# Allegro board T736_DEMO_CORE_AXP8191_LP4_4X_32X1_V0_5-draft.brd (continued)
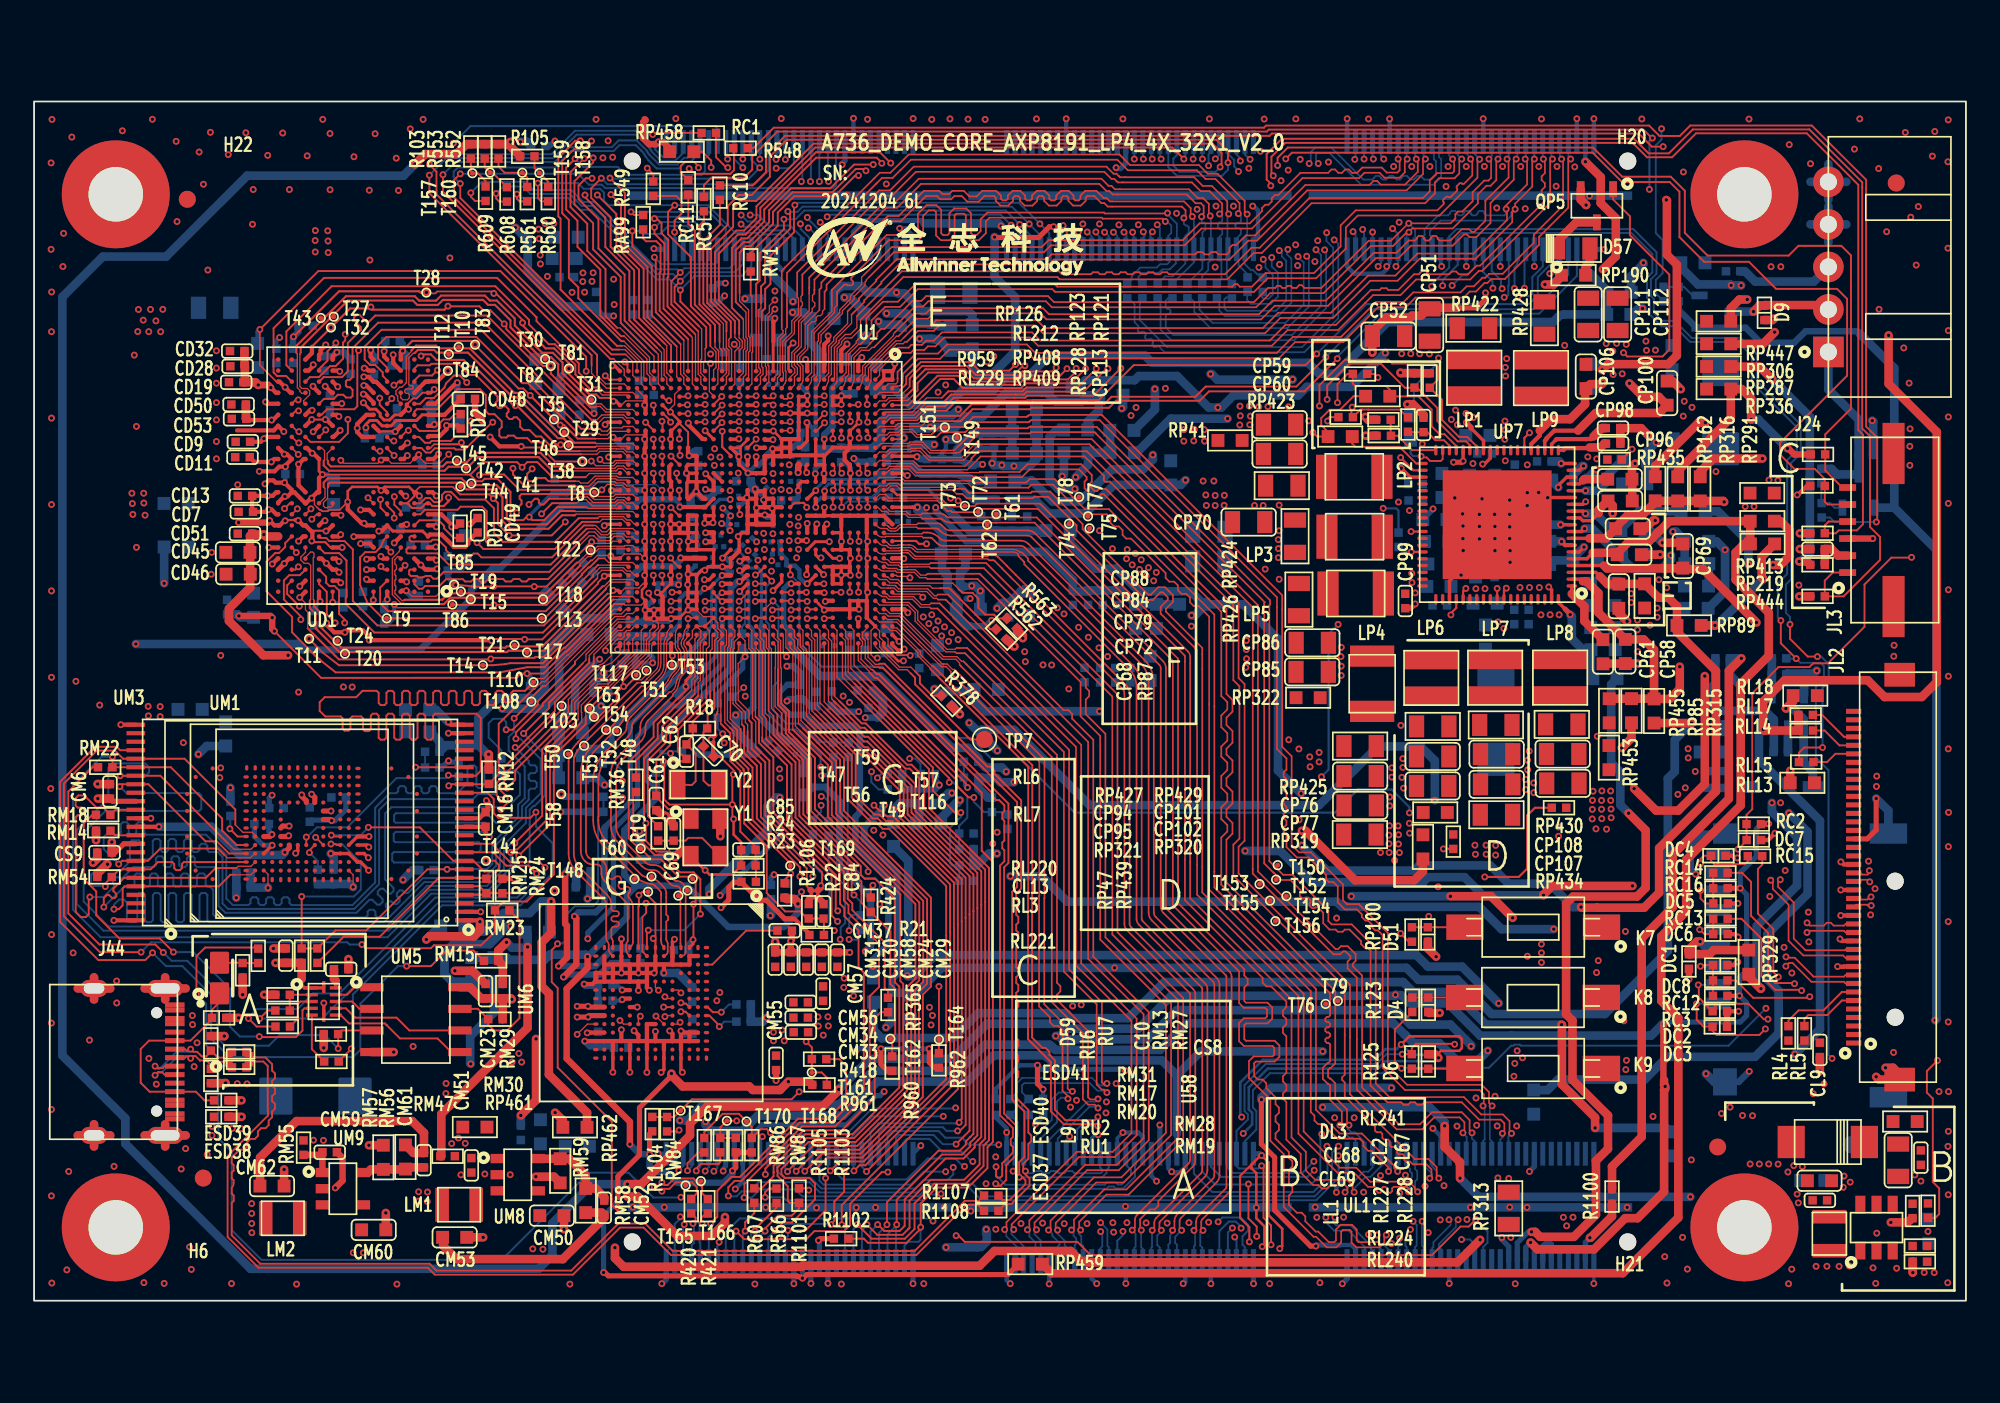
[diagram p0: board, top side]
## Footprints (pads in the part's own frame, mm; a bottom-side part is the same pattern mirrored in y, then rotated) (continued)
BGA667P50B1700_1700H112
  round 0.27 smd: A1(-8,8) A2(-7.5,8) A3(-7,8) A5(-6,8) A7(-5,8) A9(-4,8) A11(-3,8) A13(-2,8) A15(-1,8) A17(0,8) A19(1,8) A21(2,8) A23(3,8) A25(4,8) A27(5,8) A29(6,8) A31(7,8) A32(7.5,8) A33(8,8) AA1(-8,-2) AA2(-7.5,-2) AA3(-7,-2) AA12(-2.5,-2) AA13(-2,-2) AA14(-1.5,-2) AA15(-1,-2) AA18(0.5,-2) AA20(1.5,-2) AA31(7,-2) AA32(7.5,-2) AA33(8,-2) AB2(-7.5,-2.5) AB3(-7,-2.5) AB4(-6.5,-2.5) AB5(-6,-2.5) AB6(-5.5,-2.5) AB7(-5,-2.5) AB8(-4.5,-2.5) AB9(-4,-2.5) AB13(-2,-2.5) AB14(-1.5,-2.5) AB15(-1,-2.5) AB16(-0.5,-2.5) AB17(0,-2.5) AB18(0.5,-2.5) AB20(1.5,-2.5) AB21(2,-2.5) AB22(2.5,-2.5) AB25(4,-2.5) AB26(4.5,-2.5) AB27(5,-2.5) AB28(5.5,-2.5) AB29(6,-2.5) AB30(6.5,-2.5) AB31(7,-2.5) AB32(7.5,-2.5) AC1(-8,-3) AC2(-7.5,-3) AC3(-7,-3) AC9(-4,-3) AC12(-2.5,-3) AC14(-1.5,-3) AC16(-0.5,-3) AC18(0.5,-3) AC23(3,-3) AC31(7,-3) AC32(7.5,-3) AC33(8,-3) AD2(-7.5,-3.5) AD3(-7,-3.5) AD4(-6.5,-3.5) AD5(-6,-3.5) AD6(-5.5,-3.5) AD7(-5,-3.5) AD11(-3,-3.5) AD12(-2.5,-3.5) AD13(-2,-3.5) AD14(-1.5,-3.5) AD18(0.5,-3.5) AD19(1,-3.5) AD20(1.5,-3.5) AD21(2,-3.5) AD22(2.5,-3.5) AD25(4,-3.5) AD26(4.5,-3.5) AD27(5,-3.5) AD28(5.5,-3.5) AD29(6,-3.5) AD30(6.5,-3.5) AD31(7,-3.5) AD32(7.5,-3.5) AE1(-8,-4) AE2(-7.5,-4) AE3(-7,-4) AE10(-3.5,-4) AE12(-2.5,-4) AE14(-1.5,-4) AE16(-0.5,-4) AE18(0.5,-4) AE20(1.5,-4) AE22(2.5,-4) AE24(3.5,-4) AE31(7,-4) AE32(7.5,-4) AE33(8,-4) AF2(-7.5,-4.5) AF3(-7,-4.5) AF4(-6.5,-4.5) AF5(-6,-4.5) AF6(-5.5,-4.5) AF7(-5,-4.5) AF8(-4.5,-4.5) AF10(-3.5,-4.5) AF12(-2.5,-4.5) AF14(-1.5,-4.5) AF16(-0.5,-4.5) AF18(0.5,-4.5) AF20(1.5,-4.5) AF22(2.5,-4.5) AF24(3.5,-4.5) AF27(5,-4.5) AF28(5.5,-4.5) AF29(6,-4.5) AF30(6.5,-4.5) AF31(7,-4.5) AF32(7.5,-4.5) AG1(-8,-5) AG2(-7.5,-5) AG3(-7,-5) AG8(-4.5,-5) AG10(-3.5,-5) AG12(-2.5,-5) AG14(-1.5,-5) AG16(-0.5,-5) AG18(0.5,-5) AG20(1.5,-5) AG22(2.5,-5) AG24(3.5,-5) AG26(4.5,-5) AG31(7,-5) AG32(7.5,-5) AG33(8,-5) AH2(-7.5,-5.5) AH3(-7,-5.5) AH4(-6.5,-5.5) AH5(-6,-5.5) AH6(-5.5,-5.5) AH8(-4.5,-5.5) AH10(-3.5,-5.5) AH12(-2.5,-5.5) AH14(-1.5,-5.5) AH16(-0.5,-5.5) AH18(0.5,-5.5) AH20(1.5,-5.5) AH22(2.5,-5.5) AH24(3.5,-5.5) AH26(4.5,-5.5) AH28(5.5,-5.5) AH29(6,-5.5) AH30(6.5,-5.5) AH31(7,-5.5) AH32(7.5,-5.5) AJ1(-8,-6) AJ2(-7.5,-6) AJ3(-7,-6) AJ6(-5.5,-6) AJ8(-4.5,-6) AJ10(-3.5,-6) AJ12(-2.5,-6) AJ14(-1.5,-6) AJ16(-0.5,-6) AJ18(0.5,-6) AJ20(1.5,-6) AJ22(2.5,-6) AJ24(3.5,-6) AJ26(4.5,-6) AJ28(5.5,-6) AJ31(7,-6) AJ32(7.5,-6) AJ33(8,-6) AK2(-7.5,-6.5) AK3(-7,-6.5) AK4(-6.5,-6.5) AK6(-5.5,-6.5) AK8(-4.5,-6.5) AK10(-3.5,-6.5) AK12(-2.5,-6.5) AK14(-1.5,-6.5) AK16(-0.5,-6.5) AK18(0.5,-6.5) AK20(1.5,-6.5) AK22(2.5,-6.5) AK24(3.5,-6.5) AK26(4.5,-6.5) AK28(5.5,-6.5) AK30(6.5,-6.5) AK31(7,-6.5) AK32(7.5,-6.5) AL1(-8,-7) AL2(-7.5,-7) AL3(-7,-7) AL4(-6.5,-7) AL5(-6,-7) AL6(-5.5,-7) AL7(-5,-7) AL8(-4.5,-7) AL9(-4,-7) AL10(-3.5,-7) AL11(-3,-7) AL12(-2.5,-7) AL13(-2,-7) AL14(-1.5,-7) AL15(-1,-7) AL16(-0.5,-7) AL17(0,-7) AL18(0.5,-7) AL19(1,-7) AL20(1.5,-7) AL21(2,-7) AL22(2.5,-7) AL23(3,-7) AL24(3.5,-7) AL25(4,-7) AL26(4.5,-7) AL27(5,-7) AL28(5.5,-7) AL29(6,-7) AL30(6.5,-7) AL31(7,-7) AL32(7.5,-7) AL33(8,-7) AM1(-8,-7.5) AM2(-7.5,-7.5) AM3(-7,-7.5) AM4(-6.5,-7.5) AM5(-6,-7.5) AM6(-5.5,-7.5) AM7(-5,-7.5) AM8(-4.5,-7.5) AM9(-4,-7.5) AM10(-3.5,-7.5) AM11(-3,-7.5) AM12(-2.5,-7.5) AM13(-2,-7.5) AM14(-1.5,-7.5) AM15(-1,-7.5) AM16(-0.5,-7.5) AM17(0,-7.5) AM18(0.5,-7.5) AM19(1,-7.5) AM20(1.5,-7.5) AM21(2,-7.5) AM22(2.5,-7.5) AM23(3,-7.5) AM24(3.5,-7.5) AM25(4,-7.5) AM26(4.5,-7.5) AM27(5,-7.5) AM28(5.5,-7.5) AM29(6,-7.5) AM30(6.5,-7.5) AM31(7,-7.5) AM32(7.5,-7.5) AM33(8,-7.5) AN1(-8,-8) AN2(-7.5,-8) AN3(-7,-8) AN5(-6,-8) AN7(-5,-8) AN9(-4,-8) AN11(-3,-8) AN13(-2,-8) AN15(-1,-8) AN17(0,-8) AN19(1,-8) AN21(2,-8) AN23(3,-8) AN25(4,-8) AN27(5,-8) AN29(6,-8) AN31(7,-8) AN32(7.5,-8) AN33(8,-8) B1(-8,7.5) B2(-7.5,7.5) B3(-7,7.5) B4(-6.5,7.5) B5(-6,7.5) B6(-5.5,7.5) B7(-5,7.5) B8(-4.5,7.5) B9(-4,7.5) B10(-3.5,7.5) B11(-3,7.5) B12(-2.5,7.5) B13(-2,7.5) B14(-1.5,7.5) B15(-1,7.5) B16(-0.5,7.5) B17(0,7.5) B18(0.5,7.5) B19(1,7.5) B20(1.5,7.5) B21(2,7.5) B22(2.5,7.5) B23(3,7.5) B24(3.5,7.5) B25(4,7.5) B26(4.5,7.5) B27(5,7.5) B28(5.5,7.5) B29(6,7.5) B30(6.5,7.5) B31(7,7.5) B32(7.5,7.5) B33(8,7.5) C1(-8,7) C2(-7.5,7) C3(-7,7) C4(-6.5,7) C5(-6,7) C6(-5.5,7) C7(-5,7) C8(-4.5,7) C9(-4,7) C10(-3.5,7) C11(-3,7) C12(-2.5,7) C13(-2,7) C14(-1.5,7) C15(-1,7) C16(-0.5,7) C17(0,7) C18(0.5,7) C19(1,7) C20(1.5,7) C21(2,7) C22(2.5,7) C23(3,7) C24(3.5,7) C25(4,7) C26(4.5,7) C27(5,7) C28(5.5,7) C29(6,7) C30(6.5,7) C31(7,7) C32(7.5,7) C33(8,7) D2(-7.5,6.5) D3(-7,6.5) D4(-6.5,6.5) D6(-5.5,6.5) D8(-4.5,6.5) D10(-3.5,6.5) D12(-2.5,6.5) D14(-1.5,6.5) D16(-0.5,6.5) D18(0.5,6.5) D20(1.5,6.5) D22(2.5,6.5) D24(3.5,6.5) D26(4.5,6.5) D28(5.5,6.5) D30(6.5,6.5) D31(7,6.5) D32(7.5,6.5) E1(-8,6) E2(-7.5,6) E3(-7,6) E6(-5.5,6) E8(-4.5,6) E10(-3.5,6) E12(-2.5,6) E14(-1.5,6) E16(-0.5,6) E18(0.5,6) E20(1.5,6) E22(2.5,6) E24(3.5,6) E26(4.5,6) E28(5.5,6) E31(7,6) E32(7.5,6) E33(8,6) F2(-7.5,5.5) F3(-7,5.5) F4(-6.5,5.5) F5(-6,5.5) F6(-5.5,5.5) F8(-4.5,5.5) F10(-3.5,5.5) F12(-2.5,5.5) F14(-1.5,5.5) F16(-0.5,5.5) F18(0.5,5.5) F20(1.5,5.5) F22(2.5,5.5) F24(3.5,5.5) F26(4.5,5.5) F28(5.5,5.5) F29(6,5.5) F30(6.5,5.5) F31(7,5.5) F32(7.5,5.5) G1(-8,5) G2(-7.5,5) G3(-7,5) G8(-4.5,5) G10(-3.5,5) G12(-2.5,5) G14(-1.5,5) G16(-0.5,5) G18(0.5,5) G20(1.5,5) G22(2.5,5) G24(3.5,5) G26(4.5,5) G31(7,5) G32(7.5,5) G33(8,5) H2(-7.5,4.5) H3(-7,4.5) H4(-6.5,4.5) H5(-6,4.5) H6(-5.5,4.5) H7(-5,4.5) H8(-4.5,4.5) H10(-3.5,4.5) H12(-2.5,4.5) H14(-1.5,4.5) H16(-0.5,4.5) H18(0.5,4.5) H20(1.5,4.5) H22(2.5,4.5) H24(3.5,4.5) H26(4.5,4.5) H27(5,4.5) H28(5.5,4.5) H29(6,4.5) H30(6.5,4.5) H31(7,4.5) H32(7.5,4.5) J1(-8,4) J2(-7.5,4) J3(-7,4) J10(-3.5,4) J12(-2.5,4) J14(-1.5,4) J16(-0.5,4) J18(0.5,4) J20(1.5,4) J22(2.5,4) J24(3.5,4) J31(7,4) J32(7.5,4) J33(8,4) K2(-7.5,3.5) K3(-7,3.5) K4(-6.5,3.5) K5(-6,3.5) K6(-5.5,3.5) K7(-5,3.5) K8(-4.5,3.5) K9(-4,3.5) K12(-2.5,3.5) K14(-1.5,3.5) K16(-0.5,3.5) K18(0.5,3.5) K20(1.5,3.5) K22(2.5,3.5) K24(3.5,3.5) K25(4,3.5) K26(4.5,3.5) K27(5,3.5) K28(5.5,3.5) K29(6,3.5) K30(6.5,3.5) K31(7,3.5) K32(7.5,3.5) L1(-8,3) L2(-7.5,3) L3(-7,3) L12(-2.5,3) L14(-1.5,3) L16(-0.5,3) L18(0.5,3) L20(1.5,3) L22(2.5,3) L24(3.5,3) L31(7,3) L32(7.5,3) L33(8,3) M2(-7.5,2.5) M3(-7,2.5) M4(-6.5,2.5) M5(-6,2.5) M6(-5.5,2.5) M7(-5,2.5) M8(-4.5,2.5) M9(-4,2.5) M10(-3.5,2.5) M12(-2.5,2.5) M20(1.5,2.5) M26(4.5,2.5) M27(5,2.5) M28(5.5,2.5) M29(6,2.5) M30(6.5,2.5) M31(7,2.5) M32(7.5,2.5) N1(-8,2) N2(-7.5,2) N3(-7,2) N11(-3,2) N13(-2,2) N16(-0.5,2) N17(0,2) N18(0.5,2) N20(1.5,2) N22(2.5,2) N24(3.5,2) N31(7,2) N32(7.5,2) N33(8,2) P2(-7.5,1.5) P3(-7,1.5) P4(-6.5,1.5) P5(-6,1.5) P6(-5.5,1.5) P7(-5,1.5) P8(-4.5,1.5) P9(-4,1.5) P10(-3.5,1.5) P11(-3,1.5) P12(-2.5,1.5) P13(-2,1.5) P14(-1.5,1.5) P16(-0.5,1.5) P17(0,1.5) P18(0.5,1.5) P20(1.5,1.5) P21(2,1.5) P22(2.5,1.5) P23(3,1.5) P25(4,1.5) P27(5,1.5) P28(5.5,1.5) P29(6,1.5) P30(6.5,1.5) P31(7,1.5) P32(7.5,1.5) R1(-8,1) R2(-7.5,1) R3(-7,1) R12(-2.5,1) R14(-1.5,1) R16(-0.5,1) R18(0.5,1) R19(1,1) R21(2,1) R22(2.5,1) R31(7,1) R32(7.5,1) R33(8,1) T2(-7.5,0.5) T3(-7,0.5) T4(-6.5,0.5) T5(-6,0.5) T6(-5.5,0.5) T7(-5,0.5) T8(-4.5,0.5) T9(-4,0.5) T10(-3.5,0.5) T11(-3,0.5) T13(-2,0.5) T15(-1,0.5) T17(0,0.5) T21(2,0.5) T23(3,0.5) T24(3.5,0.5) T25(4,0.5) T26(4.5,0.5) T27(5,0.5) T28(5.5,0.5) T29(6,0.5) T30(6.5,0.5) T31(7,0.5) T32(7.5,0.5) U1(-8,0) U2(-7.5,0) U3(-7,0) U12(-2.5,0) U13(-2,0) U16(-0.5,0) U18(0.5,0) U19(1,0) U20(1.5,0) U22(2.5,0) U24(3.5,0) U31(7,0) U32(7.5,0) U33(8,0) V2(-7.5,-0.5) V3(-7,-0.5) V4(-6.5,-0.5) V5(-6,-0.5) V6(-5.5,-0.5) V7(-5,-0.5) V8(-4.5,-0.5) V9(-4,-0.5) V10(-3.5,-0.5) V12(-2.5,-0.5) V15(-1,-0.5) V17(0,-0.5) V18(0.5,-0.5) V19(1,-0.5) V20(1.5,-0.5) V21(2,-0.5) V23(3,-0.5) V24(3.5,-0.5) V25(4,-0.5) V26(4.5,-0.5) V27(5,-0.5) V28(5.5,-0.5) V29(6,-0.5) V30(6.5,-0.5) V31(7,-0.5) V32(7.5,-0.5) W1(-8,-1) W2(-7.5,-1) W3(-7,-1) W12(-2.5,-1) W14(-1.5,-1) W16(-0.5,-1) W17(0,-1) W22(2.5,-1) W31(7,-1) W32(7.5,-1) W33(8,-1) Y2(-7.5,-1.5) Y3(-7,-1.5) Y4(-6.5,-1.5) Y5(-6,-1.5) Y6(-5.5,-1.5) Y7(-5,-1.5) Y8(-4.5,-1.5) Y9(-4,-1.5) Y10(-3.5,-1.5) Y11(-3,-1.5) Y12(-2.5,-1.5) Y13(-2,-1.5) Y14(-1.5,-1.5) Y17(0,-1.5) Y19(1,-1.5) Y21(2,-1.5) Y22(2.5,-1.5) Y23(3,-1.5) Y24(3.5,-1.5) Y25(4,-1.5) Y26(4.5,-1.5) Y27(5,-1.5) Y28(5.5,-1.5) Y29(6,-1.5) Y30(6.5,-1.5) Y31(7,-1.5) Y32(7.5,-1.5)
C0201
  rect 0.3x0.3 smd: 1(-0.25,0) 2(0.25,0)
C0402
  rect 0.5x0.5 smd: 1(-0.425,0) 2(0.425,0)
C0603
  rect 0.76x0.76 smd: 1(-0.71,0) 2(0.71,0)
C0805
  rect 0.9x1.3 smd: 1(-0.95,0) 2(0.95,0)
ESD0402
  rect 0.5x0.5 smd: 1(-0.425,0) 2(0.425,0)
FPC8P100B515_1090H340_B
  rect 0.4x1 smd: 1(-2.5,2.775) 2(-1.5,2.775) 3(-0.5,2.775) 4(0.5,2.775) 5(1.5,2.775) 6(2.5,2.775)
  rect 3.6x1.3 smd: 7(4.5,0.075) 8(-4.5,0.075)
FPC42P50B450_2410H150
  rect 0.3x0.9 smd: 1(-9.75,2.6) 2(-9.25,2.6) 3(-8.75,2.6) 4(-8.25,2.6) 5(-7.75,2.6) 6(-7.25,2.6) 7(-6.75,2.6) 8(-6.25,2.6) 9(-5.75,2.6) 10(-5.25,2.6) 11(-4.75,2.6) 12(-4.25,2.6) 13(-3.75,2.6) 14(-3.25,2.6) 15(-2.75,2.6) 16(-2.25,2.6) 17(-1.75,2.6) 18(-1.25,2.6) 19(-0.75,2.6) 20(-0.25,2.6) 21(0.25,2.6) 22(0.75,2.6) 23(1.25,2.6) 24(1.75,2.6) 25(2.25,2.6) 26(2.75,2.6) 27(3.25,2.6) 28(3.75,2.6) 29(4.25,2.6) 30(4.75,2.6) 31(5.25,2.6) 32(5.75,2.6) 33(6.25,2.6) 34(6.75,2.6) 35(7.25,2.6) 36(7.75,2.6) 37(8.25,2.6) 38(8.75,2.6) 39(9.25,2.6) 40(9.75,2.6)
  rect 1.4x1.8 smd: 41(11.9,-0.1) 42(-11.9,-0.1)
KEY2B350_600H350
  rect 2.2x1.5 smd: 1(-4.01,0) 2(4.01,0)
LC4P55B100_125H50
  rect 0.3x0.5 smd: 1(-0.275,0.6) 2(0.275,0.6) 3(0.275,-0.6) 4(-0.275,-0.6)
LED0805
  rect 0.9x1.3 smd: 1(-0.95,0) 2(0.95,0)
LP200_250H100
  rect 0.8x2 smd: 1(-1,0) 2(1,0)
LP250_320H130
  rect 1.25x2.6 smd: 1(-1.625,0) 2(1.625,0)
LP300_300H100
  rect 1.1x3.2 smd: 1(-1.05,0) 2(1.05,0)
MTH635D320
  round 6.35 hole 3.2: 1(0,0)
QFN12P40B170_200H55
  rect 0.7x0.2 smd: 1(-0.7,0.8) 2(-0.7,0.4) 3(-0.7,0) 4(-0.7,-0.4) 5(-0.7,-0.8) 7(0.7,-0.8) 8(0.7,-0.4) 9(0.7,0) 10(0.7,0.4) 11(0.7,0.8)
  rect 0.2x0.7 smd: 6(0,-0.85) 12(0,0.85)
QFN77P40B900_900H85_A
  oval 0.63x0.2 smd: 1(-4.385,3.6) 2(-4.385,3.2) 3(-4.385,2.8) 4(-4.385,2.4) 5(-4.385,2) 6(-4.385,1.6) 7(-4.385,1.2) 8(-4.385,0.8) 9(-4.385,0.4) 10(-4.385,0) 11(-4.385,-0.4) 12(-4.385,-0.8) 13(-4.385,-1.2) 14(-4.385,-1.6) 15(-4.385,-2) 16(-4.385,-2.4) 17(-4.385,-2.8) 18(-4.385,-3.2) 19(-4.385,-3.6) 39(4.385,-3.6) 40(4.385,-3.2) 41(4.385,-2.8) 42(4.385,-2.4) 43(4.385,-2) 44(4.385,-1.6) 45(4.385,-1.2) 46(4.385,-0.8) 47(4.385,-0.4) 48(4.385,0) 49(4.385,0.4) 50(4.385,0.8) 51(4.385,1.2) 52(4.385,1.6) 53(4.385,2) 54(4.385,2.4) 55(4.385,2.8) 56(4.385,3.2) 57(4.385,3.6)
  oval 0.2x0.63 smd: 20(-3.6,-4.385) 21(-3.2,-4.385) 22(-2.8,-4.385) 23(-2.4,-4.385) 24(-2,-4.385) 25(-1.6,-4.385) 26(-1.2,-4.385) 27(-0.8,-4.385) 28(-0.4,-4.385) 29(0,-4.385) 30(0.4,-4.385) 31(0.8,-4.385) 32(1.2,-4.385) 33(1.6,-4.385) 34(2,-4.385) 35(2.4,-4.385) 36(2.8,-4.385) 37(3.2,-4.385) 38(3.6,-4.385) 58(3.6,4.385) 59(3.2,4.385) 60(2.8,4.385) 61(2.4,4.385) 62(2,4.385) 63(1.6,4.385) 64(1.2,4.385) 65(0.8,4.385) 66(0.4,4.385) 67(0,4.385) 68(-0.4,4.385) 69(-0.8,4.385) 70(-1.2,4.385) 71(-1.6,4.385) 72(-2,4.385) 73(-2.4,4.385) 74(-2.8,4.385) 75(-3.2,4.385) 76(-3.6,4.385)
  rect 6.4x6.4 smd: 77(0,0)
R0402
  rect 0.5x0.5 smd: 1(-0.425,0) 2(0.425,0)
R0603
  rect 0.76x0.76 smd: 1(-0.71,0) 2(0.71,0)
R0805
  rect 0.9x1.3 smd: 1(-0.95,0) 2(0.95,0)
SDC13B1450_1472H245
  round 1 hole 1 unplated: (-3.05,3.25) (4.95,3.25)
  rect 0.7x1.4 smd: 1(-2.25,-7.15) 2(-1.15,-7.15) 3(-0.05,-7.15) 4(1.05,-7.15) 5(2.15,-7.15) 6(3.25,-7.15) 7(4.35,-7.15) 8(5.45,-7.15) 9(6.55,-7.15)
  rect 1.2x1.4 smd: 10(7.75,-6.75)
  rect 1.6x1.4 smd: 11(-6.85,-6.75)
  rect 1.2x2.2 smd: 12(7.75,2.85) 13(-7.75,2.85)
SEDM2_90P50B597_6000H426
  round 1.02 hole 1 unplated: (-29.24,-2.03) (29.24,-2.03)
  rect 0.3x1.4 smd: 1(27.25,3.155) 2(27.25,-3.155) 3(26.75,3.155) 4(26.75,-3.155) 5(26.25,3.155) 6(26.25,-3.155) 7(25.75,3.155) 8(25.75,-3.155) 9(25.25,3.155) 10(25.25,-3.155) 11(24.75,3.155) 12(24.75,-3.155) 13(24.25,3.155) 14(24.25,-3.155) 15(23.75,3.155) 16(23.75,-3.155) 17(23.25,3.155) 18(23.25,-3.155) 19(22.75,3.155) 20(22.75,-3.155) 21(22.25,3.155) 22(22.25,-3.155) 23(21.75,3.155) 24(21.75,-3.155) 25(21.25,3.155) 26(21.25,-3.155) 27(20.75,3.155) 28(20.75,-3.155) 29(20.25,3.155) 30(20.25,-3.155) 31(19.75,3.155) 32(19.75,-3.155) 33(19.25,3.155) 34(19.25,-3.155) 35(18.75,3.155) 36(18.75,-3.155) 37(18.25,3.155) 38(18.25,-3.155) 39(17.75,3.155) 40(17.75,-3.155) 41(17.25,3.155) 42(17.25,-3.155) 43(16.75,3.155) 44(16.75,-3.155) 45(16.25,3.155) 46(16.25,-3.155) 47(15.75,3.155) 48(15.75,-3.155) 49(15.25,3.155) 50(15.25,-3.155) 51(14.75,3.155) 52(14.75,-3.155) 53(14.25,3.155) 54(14.25,-3.155) 55(13.75,3.155) 56(13.75,-3.155) 57(13.25,3.155) 58(13.25,-3.155) 59(12.75,3.155) 60(12.75,-3.155) 61(7.25,3.155) 62(7.25,-3.155) 63(6.75,3.155) 64(6.75,-3.155) 65(6.25,3.155) 66(6.25,-3.155) 67(5.75,3.155) 68(5.75,-3.155) 69(5.25,3.155) 70(5.25,-3.155) 71(4.75,3.155) 72(4.75,-3.155) 73(4.25,3.155) 74(4.25,-3.155) 75(3.75,3.155) 76(3.75,-3.155) 77(3.25,3.155) 78(3.25,-3.155) 79(2.75,3.155) 80(2.75,-3.155) 81(2.25,3.155) 82(2.25,-3.155) 83(1.75,3.155) 84(1.75,-3.155) 85(1.25,3.155) 86(1.25,-3.155) 87(0.75,3.155) 88(0.75,-3.155) 89(0.25,3.155) 90(0.25,-3.155) 91(-0.25,3.155) 92(-0.25,-3.155) 93(-0.75,3.155) 94(-0.75,-3.155) 95(-1.25,3.155) 96(-1.25,-3.155) 97(-1.75,3.155) 98(-1.75,-3.155) 99(-2.25,3.155) 100(-2.25,-3.155) 101(-2.75,3.155) 102(-2.75,-3.155) 103(-3.25,3.155) 104(-3.25,-3.155) 105(-3.75,3.155) 106(-3.75,-3.155) 107(-4.25,3.155) 108(-4.25,-3.155) 109(-4.75,3.155) 110(-4.75,-3.155) 111(-5.25,3.155) 112(-5.25,-3.155) 113(-5.75,3.155) 114(-5.75,-3.155) 115(-6.25,3.155) 116(-6.25,-3.155) 117(-6.75,3.155) 118(-6.75,-3.155) 119(-7.25,3.155) 120(-7.25,-3.155) 121(-12.75,3.155) 122(-12.75,-3.155) 123(-13.25,3.155) 124(-13.25,-3.155) 125(-13.75,3.155) 126(-13.75,-3.155) 127(-14.25,3.155) 128(-14.25,-3.155) 129(-14.75,3.155) 130(-14.75,-3.155) 131(-15.25,3.155) 132(-15.25,-3.155) 133(-15.75,3.155) 134(-15.75,-3.155) 135(-16.25,3.155) 136(-16.25,-3.155) 137(-16.75,3.155) 138(-16.75,-3.155) 139(-17.25,3.155) 140(-17.25,-3.155) 141(-17.75,3.155) 142(-17.75,-3.155) 143(-18.25,3.155) 144(-18.25,-3.155) 145(-18.75,3.155) 146(-18.75,-3.155) 147(-19.25,3.155) 148(-19.25,-3.155) 149(-19.75,3.155) 150(-19.75,-3.155) 151(-20.25,3.155) 152(-20.25,-3.155) 153(-20.75,3.155) 154(-20.75,-3.155) 155(-21.25,3.155) 156(-21.25,-3.155) 157(-21.75,3.155) 158(-21.75,-3.155) 159(-22.25,3.155) 160(-22.25,-3.155) 161(-22.75,3.155) 162(-22.75,-3.155) 163(-23.25,3.155) 164(-23.25,-3.155) 165(-23.75,3.155) 166(-23.75,-3.155) 167(-24.25,3.155) 168(-24.25,-3.155) 169(-24.75,3.155) 170(-24.75,-3.155) 171(-25.25,3.155) 172(-25.25,-3.155) 173(-25.75,3.155) 174(-25.75,-3.155) 175(-26.25,3.155) 176(-26.25,-3.155) 177(-26.75,3.155) 178(-26.75,-3.155) 179(-27.25,3.155) 180(-27.25,-3.155)
  rect 19x0.5 smd: 181(-20,0) 182(0,0) 183(20,0)
SKT5P250B700_1500H570_R_THR
  rect 1.8x1.8 hole 1: 1(-5,3.6)
  round 1.8 hole 1: 2(-2.5,3.6) 3(0,3.6) 4(2.5,3.6) 5(5,3.6)
SMB
  custom 0.488x0.488 smd: 1(2.325,0) 2(-2.325,0)
SOD155_270H118
  rect 1.2x0.7 smd: 1(-1.85,0) 2(1.85,0)
SOD250_380H100
  rect 1.6x1.9 smd: 1(-2.15,0) 2(2.15,0)
SOD323
  custom 0.282x0.282 smd: 1(0.9,0) 2(-0.9,0)
SOP8P127B390_490H155
  rect 1.39x0.48 smd: 1(-2.58,1.905) 2(-2.58,0.635) 3(-2.58,-0.635) 4(-2.58,-1.905) 5(2.58,-1.905) 6(2.58,-0.635) 7(2.58,0.635) 8(2.58,1.905)
SOP48P50B1200_1840H120
  rect 1.1x0.25 smd: 1(-9.65,5.75) 2(-9.65,5.25) 3(-9.65,4.75) 4(-9.65,4.25) 5(-9.65,3.75) 6(-9.65,3.25) 7(-9.65,2.75) 8(-9.65,2.25) 9(-9.65,1.75) 10(-9.65,1.25) 11(-9.65,0.75) 12(-9.65,0.25) 13(-9.65,-0.25) 14(-9.65,-0.75) 15(-9.65,-1.25) 16(-9.65,-1.75) 17(-9.65,-2.25) 18(-9.65,-2.75) 19(-9.65,-3.25) 20(-9.65,-3.75) 21(-9.65,-4.25) 22(-9.65,-4.75) 23(-9.65,-5.25) 24(-9.65,-5.75) 25(9.65,-5.75) 26(9.65,-5.25) 27(9.65,-4.75) 28(9.65,-4.25) 29(9.65,-3.75) 30(9.65,-3.25) 31(9.65,-2.75) 32(9.65,-2.25) 33(9.65,-1.75) 34(9.65,-1.25) 35(9.65,-0.75) 36(9.65,-0.25) 37(9.65,0.25) 38(9.65,0.75) 39(9.65,1.25) 40(9.65,1.75) 41(9.65,2.25) 42(9.65,2.75) 43(9.65,3.25) 44(9.65,3.75) 45(9.65,4.25) 46(9.65,4.75) 47(9.65,5.25) 48(9.65,5.75)
SOT3P95B130_290H103
  rect 0.95x0.46 smd: 1(-0.975,0.95) 2(-0.975,-0.95) 3(0.975,0)
SOT5P95B160_300H130
  rect 0.8x0.55 smd: 1(-1.2,0.95) 2(-1.2,0) 3(-1.2,-0.95) 4(1.2,-0.95) 5(1.2,0.95)
SOT6P95B160_290H145
  rect 1.05x0.6 smd: 1(-1.35,0.95) 2(-1.35,0) 3(-1.35,-0.95) 4(1.35,-0.95) 5(1.35,0) 6(1.35,0.95)
TP30
  round 0.3 smd: 1(0,0)
TP100
  round 1 smd: 1(0,0)
unnamed
  round 1 smd: 1(0,0)
USB20P50B894_735H426
  round 0.65 hole 0.65 unplated: (-2.89,2.53) (2.89,2.53)
  oval 1x2.1 hole 0.6x1.7: 1(-4.32,3.03) 2(4.32,3.03)
  oval 1x1.6 hole 0.6x1.2: 3(-4.32,-1.15) 4(4.32,-1.15)
  rect 0.3x1.15 smd: A1(-3.35,3.595) A4(-2.55,3.595) A5(-1.25,3.595) A6(-0.25,3.595) A7(0.25,3.595) A8(1.25,3.595) A9(2.55,3.595) A12(3.35,3.595) B1(3.05,3.595) B4(2.25,3.595) B5(1.75,3.595) B6(0.75,3.595) B7(-0.75,3.595) B8(-1.75,3.595) B9(-2.25,3.595) B12(-3.05,3.595)
X2B150_320H75_SMD
  rect 1x1.8 smd: 1(-1.25,0) 2(1.25,0)
X4B250_320H120_SMD
  rect 0.95x1.2 smd: 1(-0.875,1.1) 2(-0.875,-1.1) 3(0.875,-1.1) 4(0.875,1.1)

## Nets
AGND: C1.1 C3.1 C4.1 R11.1 U1.H28(VREFN-ADC) U1.K27(AGND)
AVCC: C1.2 C5.1 J48.38(P38) R1.2 R2.1 R5.1 R12.1 R72.1 R1102.2 R1109.1 RP87.2 U1.M26(VCC-ADC)
AVDD-H-COMB0: C232.1 C233.1 C235.2 C237.1 C238.1 C239.2 RP69.2 U1.J20(AVDD-H-COMB0)
VCC18-HDMI: C6.1 C7.1 C8.1 C251.1 RP451.2 U1.K16(VCC18-HDMI)
VCC18-PF: C256.1 RP452.2 U1.Y9(VCC18-PF)
VCC33-18-USB: C243.1 RP453.2 RP455.2 U1.J22(VCC33-18-USB)
VCC33-18-USB-2: C242.1 RP454.2 U1.L22(VCC33-18-USB2-U2)
VCC33-USB: C241.1 J48.97(P97) RP38.2 RP315.2 U1.K24(VCC33-USB)
VCC33-USB-2: C240.1 J48.95(P95) RP66.2 U1.K22(VCC33-USB2-U2)
VCC-1V8: J48.167(P167) J48.169(P169) RP460.2
VCC-1V8-AUDIO: J47.135(P135) RP291.2
VCC-3V3: J48.171(P171) J48.173(P173) J48.175(P175) R143.1 RP305.2
VCC-3V3-DEV: J48.177(P177) J48.179(P179) RP308.2
VCC-3V3-PCIE: J48.160(P160) RP313.2
VCC-3V3-PHY: J47.155(P155) RP307.2
VCC-5V: J48.168(P168) J48.170(P170)
VCC-CARD: DC1.2(CATHODE) JC1.4(VDD) RP329.2
VCC-CPU-PLL: C38.1 R71.2 RP446.2 U1.V24(VCC-CPU-PLL)
VCC-CTP: RL3.2 RP287.2
VCC-CTP0: CL13.1 JL3.2(VCC) RL3.1
VCC-DCXO: C39.1 RP91.2 U1.Y26(VCC-DCXO)
VCC-DRAM: CD1.1 CD2.1 CD3.1 CD4.1 CD5.1 CD6.1 CD7.1 CD8.1 CD9.1 CD10.1 CD11.1 CD12.1 CD13.1 CD14.1 CD15.1 CD54.1 CD55.1 CD56.1 CD57.1 CD58.1 RD1.2 RD2.2 RP325.2 U1.AB14(VCC-DRAM0) U1.AB15(VCC-DRAM1) UD1.A4(VDD2-0) UD1.A9(VDD2-1) UD1.AB4(VDD2-22) UD1.AB9(VDD2-23) UD1.F5(VDD2-2) UD1.F8(VDD2-3) UD1.H1(VDD2-4) UD1.H5(VDD2-5) UD1.H8(VDD2-6) UD1.H12(VDD2-7) UD1.K1(VDD2-8) UD1.K3(VDD2-9) UD1.K10(VDD2-10) UD1.K12(VDD2-11) UD1.N1(VDD2-12) UD1.N3(VDD2-13) UD1.N10(VDD2-14) UD1.N12(VDD2-15) UD1.R1(VDD2-16) UD1.R5(VDD2-17) UD1.R8(VDD2-18) UD1.R12(VDD2-19) UD1.U5(VDD2-20) UD1.U8(VDD2-21)
VCC-DRAML: CD35.1 CD36.1 CD37.1 CD38.1 CD39.1 CD40.1 CD41.1 CD42.1 RP445.2 RP449.2 U1.AB17(VCC-DRAML0) U1.AB18(VCC-DRAML1) U1.AC18(VCC-DRAML2)
VCC-EFUSE: C49.1 RP312.2 U1.AB9(VCC-EFUSE)
VCC-FLASH: CS8.1 U58.11(VCCB)
VCC-IO: C16.1 C17.1 C244.1 J48.164(P164) Q6.1(G) Q7.1(G) R103.2 R105.2 R144.1 R430.1 R552.2 R553.2 RC2.2 RC3.2 RC16.2 RP327.2 U1.Y8(VCC-IO)
VCC-LCD: CL9.2 JL2.2(VDD0) JL2.3(VDD1) JL2.4(VDDEDID) RL4.1 RL5.1 RL14.1 RL17.2 RP306.2
VCC-LDO-RTC: CP106.2 RP245.1 UP7.24(VRTC)
VCC-LVDS0: C13.1 RP65.2 U1.T10(VCC-LVDS)
VCC-MCSI: C19.1 RP67.2 U1.L12(VCC-MCSI)
VCC-NAND: CM5.1 CM7.1 CM15.1 CM16.1 RP317.2 RP330.2 UM1.M6(VCC1) UM1.N5(VCC2) UM1.T10(VCC3) UM1.U9(VCC4) UM3.1(RES#) UM3.12(VCC1) UM3.24(NC9) UM3.37(VCC2)
VCC-NOR: CM23.1 RM28.2 RM29.2 RM30.2 RM31.2 UM5.8(VCC)
VCC-PC: C10.1 CM6.1 CM9.1 CM17.1 CM18.1 CS9.1 R15.1 RM12.2 RM13.2 RM14.2 RM15.2 RM16.2 RM24.2 RM26.2 RM29.1 RM47.1 RM54.2 RM55.1 RP62.2 RP328.2 U1.AC23(VCC-PC) U58.1(VCCA) U58.12(OE) UM1.AA3(VCCQ4) UM1.AA5(VCCQ5) UM1.K6(VCCQ1) UM1.W4(VCCQ2) UM1.Y4(VCCQ3) UM3.34(NC15) UM3.39(NC17)
VCC-PD: C11.1 C12.1 J47.107(P107) RL6.2 RL7.2 RL220.2 RL221.2 RP316.2 RP336.2 RP344.2 U1.T9(VCC-PD)
VCC-PE: C14.1 J47.3(P3) RP75.2 RP335.2 RP341.2 U1.J10(VCC-PE)
VCC-PG: C15.1 J47.92(P92) RP139.2 RP334.2 U1.V10(VCC-PG)
VCC-PH: C9.1 J47.138(P138) RP447.2 U1.AC9(VCC-PH)
VCC-PI: C268.1 J48.21(P21) RP337.2 U1.P25(VCC-PI)
VCC-PJ: C132.1 J47.4(P4) RP162.2 RP338.2 RP340.2 U1.M10(VCC-PJ)
VCC-PK: C18.1 J48.124(P124) RP114.2 RP339.2 RP343.2 U1.M12(VCC-PK)
VCC-PL: C20.1 J48.34(P34) R960.2 R961.2 R962.2 R963.2 RP85.2 RP121.2 RP123.2 RP459.2 RU6.2 U1.T24(VCC-PL)
VCC-PLL: C50.1 R70.2 RP138.2 U1.Y25(VCC-PLL)
VCC-PM: C21.1 J48.17(P17) R1103.2 R1104.2 R1105.2 R1106.2 RP36.2 RP124.2 U1.V25(VCC-PM)
VCC-RTC: C51.1 J48.101(P101) R21.1 R23.1 RP126.2 RP245.2 RP408.2 U1.Y30(VCC-RTC)
VCC-SYS-5V: D37.1 J48.172(P172) J48.174(P174) J48.176(P176)
VCC-UFS: CM25.1 CM26.1 CM27.1 CM28.1 CM61.2 CM62.1 LM2.2 RM56.2 RP461.2 UM6.B8(VCC0) UM6.B9(VCC1) UM6.C8(VCC2) UM6.C9(VCC3) UM6.E8(VCC4) UM6.K8(VCC5) UM6.N8(VCC6) UM6.N9(VCC7) UM6.P8(VCC8) UM6.P9(VCC9)
VCC-UFS-IO: CM1.1 CM2.1 RM38.2 RM53.2 U1.AB25(VCC-UFS)
VCC-VDDQ: CD16.1 CD17.1 CD18.1 CD19.1 CD20.1 CD21.1 CD22.1 CD23.1 CD24.1 CD25.1 CD26.1 CD27.1 CD28.1 CD29.1 CD30.1 CD31.1 CD32.1 CD33.1 CD34.1 RD3.2 RD4.2 RP448.2 RP450.2 UD1.AA3(VDDQ-16) UD1.AA5(VDDQ-17) UD1.AA8(VDDQ-18) UD1.AA10(VDDQ-19) UD1.B3(VDDQ-0) UD1.B5(VDDQ-1) UD1.B8(VDDQ-2) UD1.B10(VDDQ-3) UD1.D1(VDDQ-4) UD1.D5(VDDQ-5) UD1.D8(VDDQ-6) UD1.D12(VDDQ-7) UD1.F3(VDDQ-8) UD1.F10(VDDQ-9) UD1.U3(VDDQ-10) UD1.U10(VDDQ-11) UD1.W1(VDDQ-12) UD1.W5(VDDQ-13) UD1.W8(VDDQ-14) UD1.W12(VDDQ-15)
VCC-WIFI: J47.153(P153) RP235.2
VCCIO-WIFI: RP217.2 RP333.2
VDD08-HDMI: C247.1 C248.1 C249.1 C250.1 RP456.2 U1.L16(VDD08-HDMI)
VDD08-UFS: CM3.1 CM4.1 RP48.2 U1.AB26(VDD-UFS)
VDD18-DRAM: CD43.1 CD44.1 RP89.2 RP444.2 U1.AB16(VDD18-DRAM)
VDD18-LPDDR: CD45.1 CD46.1 CD47.1 CD48.1 CD49.1 CD50.1 CD51.1 CD52.1 CD53.1 RP219.2 UD1.F1(VDD1-0) UD1.F12(VDD1-1) UD1.G4(VDD1-2) UD1.G9(VDD1-3) UD1.T4(VDD1-4) UD1.T9(VDD1-5) UD1.U1(VDD1-6) UD1.U12(VDD1-7)
VDD-COMB0: C231.1 C234.1 C236.1 C245.1 R964.2 R965.2 RP61.2 U1.K20(AVDD-C-COMB0) U1.L20(AVDD-D-COMB0)
VDD-CPUB: C24.1 C25.1 C26.1 C27.1 C28.1 C29.1 C30.1 C31.1 C32.1 C33.1 RP319.2 U1.M20(VDD-CPUB0) U1.N18(VDD-CPUB1) U1.N20(VDD-CPUB2) U1.N22(VDD-CPUB3) U1.P18(VDD-CPUB4) U1.P20(VDD-CPUB5) U1.P21(VDD-CPUB6) U1.P22(VDD-CPUB7) U1.P23(VDD-CPUB8)
VDD-CPUBFB: T143.1(TP) U1.N24(VDD-CPUBFB) UP7.61(DCDC4)
VDD-CPUL: C34.1 C35.1 C36.1 C45.1 C46.1 C47.2 C54.1 C55.1 C130.1 C257.1 C258.1 C259.2 RP318.2 U1.R21(VDD-CPUL0) U1.R22(VDD-CPUL1) U1.T21(VDD-CPUL2) U1.T23(VDD-CPUL3) U1.U20(VDD-CPUL4) U1.U22(VDD-CPUL5) U1.U24(VDD-CPUL6) U1.V21(VDD-CPUL7)
VDD-CPULFB: T144.1(TP) U1.T25(VDD-CPULFB) UP7.49(DCDC3)
VDD-CPUS: C22.1 C23.1 RP33.2 U1.V23(VDD-CPUS)